# Altium PCB vme64x6U_ctrlc.PcbDoc (part 16 of 18) (continued)
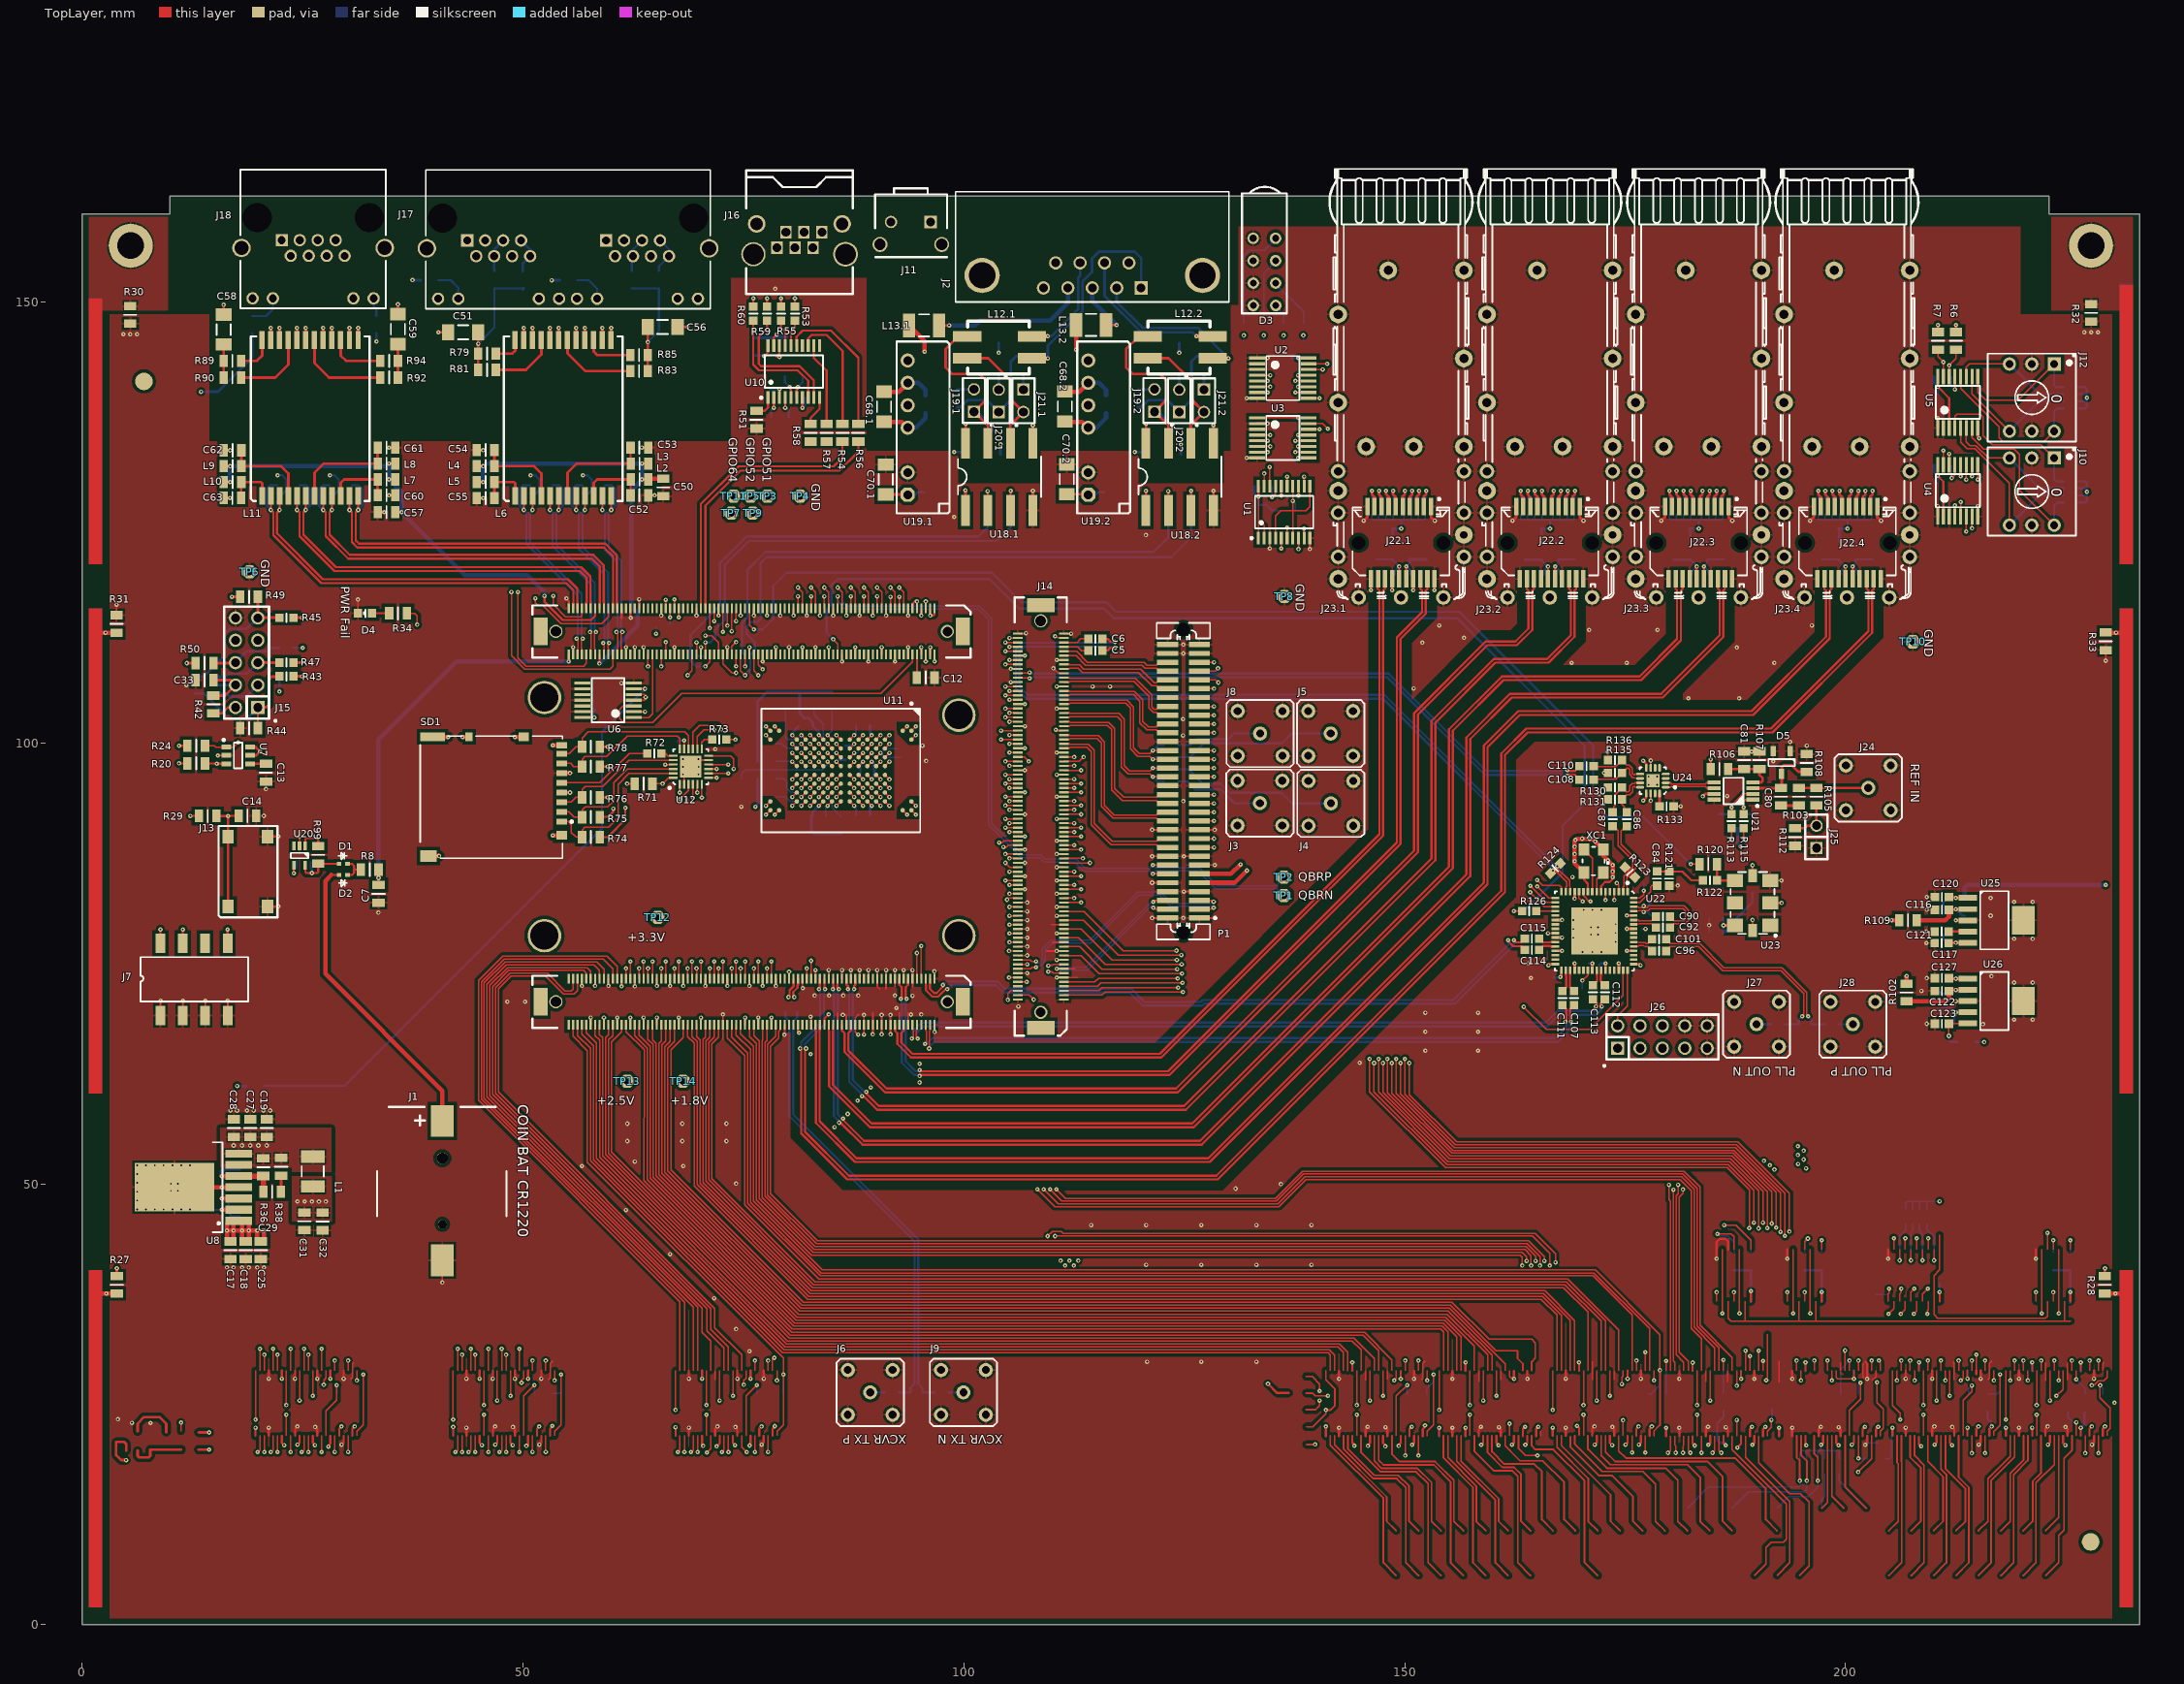
[diagram p0: TopLayer view]
## Nets (pads, with @x,y where several pads share a name; then routed paths per layer and width w, separated by ;. In a path a pad name is that pad's centre, name@x,y a point inside that pad or via, vN(x,y) a via of type N, cw(c..) or ccw(c..) an arc to the next point about the centre after c; other vN are vias at no path point) (continued)
NetJ4_1: J4.1 R11.1 | length 18.9
  BottomLayer w0.25: R11.1@124.325,97 125.475,97 127.075,95.4 129.125,95.4 130.175,94.35 136,94.35 137.2,93.15 J4.1@141.625,93.15
NetJ5_1: J5.1 R13.1 | length 18.4
  BottomLayer w0.25: R13.1@124.325,98.375 125.625,98.375 127.2,99.95 136.05,99.95 137.175,101.075 J5.1@141.6,101.075
NetJ6_1: J6.1 R12.1 R14.1 | length 1.7
  BottomLayer w0.25: J6.1@89.375,26.35 R14.1@91.025,26.35
NetJ8_1: J8.1 R16.1 | length 9.8
  BottomLayer w0.25: R16.1@124.325,99.75 125.7,99.75 126.4,100.45 130.025,100.45 130.65,101.075 J8.1@133.6,101.075
NetJ9_1: J9.1 R18.1 | length 1.7
  BottomLayer w0.25: R18.1@98.25,26.35 J9.1@99.95,26.35
NetJ11_1: J11.1 R20.2 U7.3 | length 126.5
  TopLayer w0.25: R20.2@13.925,97.675 15.22,97.675 v1(15.26,97.635) U7.3@16.335,97.635
  MidLayer3 w0.25: v1(15.26,97.635) 14.4,98.495 14.4,99.35 15.675,100.625 15.675,115.1 16.425,115.85 26.15,115.85 26.385,115.615 54.89,115.615 56.865,115.615 72.075,130.825 79.575,130.825 88.025,139.275 88.025,147.575 93.225,152.775 93.225,156.075 J11.1@96.235,159.085
NetJ14_A110: J14.A110 R40.1 | length 3.6
  TopLayer w0.15: J14.A110@69.675,110.05 v1(69.675,111.4)
  BottomLayer w0.15: v1(69.675,111.4) 69.675,110.075 69.95,109.8 R40.1@70.5,109.8
NetJ16_1: J16.1 R53.2 | length 9.7
  TopLayer w0.25: R53.2@80.835,149.503 v1(80.835,150.41)
  MidLayer3 w0.15: v1(80.835,150.41) 80.835,152.135 83.9,155.2 J16.1@83.9,157.928
NetJ16_2: J16.2 R55.2 | length 8.1
  TopLayer w0.25: R55.2@79.26,149.503 v1(79.26,150.41)
  MidLayer3 w0.15: v1(79.26,150.41) 79.26,151.16 82.88,154.78 J16.2@82.88,156.148
NetJ16_5: J16.5 R59.2 | length 9.3
  TopLayer w0.25: R59.2@77.685,149.503 v1(77.685,150.41)
  MidLayer3 w0.15: v1(77.685,150.41) 77.66,150.435 77.66,152.36 79.82,154.52 J16.5@79.82,157.928
NetJ16_6: J16.6 R60.2 | length 7.8
  TopLayer w0.25: R60.2@76.11,149.503 v1(76.11,150.41)
  MidLayer3 w0.15: v1(76.11,150.41) 76.11,151.335 78.8,154.025 J16.6@78.8,156.148
NetJ17_1A: J17.1A L6.17 | length 13.5
  TopLayer w0.3: L6.17@56.035,145.7 v1(56.035,147.065)
  MidLayer3 w0.25: v1(56.035,147.065) 57.58,148.61 58.285,148.61 59.935,150.26 59.935,153.96 59.415,154.48 J17.1A@59.415,156.985
NetJ17_1B: J17.1B L6.23 | length 13.9
  TopLayer w0.3: L6.23@50.095,145.7 v1(50.095,147.065)
  MidLayer3 w0.25: J17.1B@43.665,156.985 43.665,154.255 50.095,147.825 v1(50.095,147.065)
NetJ17_2A: J17.2A L6.16 | length 11.2
  TopLayer w0.3: L6.16@57.025,145.7 v1(57.025,147.065)
  MidLayer3 w0.25: v1(57.025,147.065) 57.025,147.3 57.915,148.19 58.459,148.19 60.355,150.086 60.355,155.125 J17.2A@60.435,155.205
NetJ17_2B: J17.2B L6.22 | length 12.2
  TopLayer w0.3: L6.22@51.085,145.7 v1(51.085,147.065)
  MidLayer3 w0.25: J17.2B@44.685,155.205 44.685,153.829 51.085,147.429 v1(51.085,147.065)
NetJ17_3A: J17.3A L6.14 | length 12.3
  TopLayer w0.3: L6.14@59.005,145.7 v1(59.005,147.065)
  MidLayer3 w0.25: v1(59.005,147.065) 61.455,149.515 J17.3A@61.455,156.985
NetJ17_3B: J17.3B L6.20 | length 14.6
  TopLayer w0.3: L6.20@53.065,145.7 v1(53.065,147.065)
  MidLayer3 w0.25: J17.3B@45.705,156.985 45.705,154.015 51.51,148.21 51.92,148.21 v1(53.065,147.065)
NetJ17_4A: J17.4A J17.5A R87.1 | length 3.9
  BottomLayer w0.25: R87.1@62.335,153.535 62.335,155.825 J17.5A@63.495,156.985
NetJ17_4B: J17.4B J17.5B R82.1 | length 3.9
  BottomLayer w0.3: R82.1@46.76,153.56 46.725,153.595 J17.4B@46.725,155.205 46.725,155.965 J17.5B@47.745,156.985
NetJ17_6A: J17.6A L6.13 | length 11.4
  TopLayer w0.3: L6.13@59.995,145.7 v1(59.995,147.065)
  MidLayer3 w0.25: v1(59.995,147.065) 59.995,147.461 61.875,149.341 61.875,152.565 J17.6A@64.515,155.205
NetJ17_6B: J17.6B L6.19 | length 12.2
  TopLayer w0.3: L6.19@54.055,145.7 v1(54.055,147.065)
  MidLayer3 w0.25: J17.6B@48.765,155.205 48.765,151.549 51.654,148.66 52.46,148.66 v1(54.055,147.065)
NetJ17_7A: J17.7A J17.8A R88.1 | length 4.3
  BottomLayer w0.25: R88.1@65.41,153.535 65.41,154.06 J17.8A@66.555,155.205 66.555,155.965 J17.7A@65.535,156.985
NetJ17_7B: J17.7B J17.8B R84.1 | length 4.2
  BottomLayer w0.3: J17.7B@49.785,156.985 50.805,155.965 J17.8B@50.805,155.205 49.96,154.36 R84.1@49.96,153.535
NetJ17_10A: J17.10A R86.2 | length 3.8
  BottomLayer w0.25: R86.2@56.175,152.475 57.45,152.475 58.405,151.52 J17.10A@58.405,150.375
NetJ17_10B: J17.10B R80.2 | length 3.9
  BottomLayer w0.25: R80.2@40.385,152.485 41.79,152.485 42.655,151.62 J17.10B@42.655,150.375
NetJ18_10: J18.10 R91.2 | length 3.9
  BottomLayer w0.25: R91.2@19.275,148.4 20.85,148.4 21.62,149.17 J18.10@21.62,150.415
NetJ18_12: J18.12 R93.2 | length 2.1
  BottomLayer w0.25: J18.12@33.05,150.415 33.05,149.55 33.375,149.225 R93.2@33.375,148.45
NetJ19.1_1: J19.1.1 L12.1.2 U17.1.1 U18.1.7 | length 22.1
  TopLayer w0.3: L12.1.2@100.375,146.125 99.375,146.125 97.925,144.675 97.925,142.575 98.65,141.85 101.725,141.85 102.55,141.025 102.55,138.955 J19.1.1@101.15,137.555 102.726,135.979 U18.1.7@102.726,133.92
  BottomLayer w0.3: J19.1.1@101.15,137.555 101.52,137.555 103.2,135.875 U17.1.1@103.2,135.325
NetJ19.1_2: J19.1.2 R95.1.2 | length 1.9
  BottomLayer w0.3: R95.1.2@99.25,140.075 101.13,140.075 J19.1.2@101.15,140.095
NetJ19.2_1: J19.2.1 L12.2.2 U17.2.1 U18.2.7 | length 22.1
  TopLayer w0.3: L12.2.2@120.85,146.125 119.85,146.125 118.4,144.675 118.4,142.575 119.125,141.85 122.2,141.85 123.025,141.025 123.025,138.955 J19.2.1@121.625,137.555 123.201,135.979 U18.2.7@123.201,133.92
  BottomLayer w0.3: J19.2.1@121.625,137.555 121.995,137.555 123.675,135.875 U17.2.1@123.675,135.325
NetJ19.2_2: J19.2.2 R95.2.2 | length 1.9
  BottomLayer w0.3: R95.2.2@119.725,140.075 121.605,140.075 J19.2.2@121.625,140.095
NetJ20.1_1: J20.1.1 R95.1.1 R97.1.2 | length 13.6
  BottomLayer w0.3: R95.1.1@99.25,138.075 99.625,138.075 100.425,138.875 102.605,138.875 J20.1.1@103.95,137.53 105.325,138.905 105.325,143.25 105.925,143.85 R97.1.2@106.75,143.85
NetJ20.2_1: J20.2.1 R95.2.1 R97.2.2 | length 13.6
  BottomLayer w0.3: R95.2.1@119.725,138.075 120.1,138.075 120.9,138.875 123.08,138.875 J20.2.1@124.425,137.53 125.8,138.905 125.8,143.25 126.4,143.85 R97.2.2@127.225,143.85
NetJ21.1_1: J21.1.1 R97.1.1 | length 1.8
  BottomLayer w0.3: J21.1.1@106.75,140.07 R97.1.1@106.75,141.85
NetJ21.1_2: J21.1.2 L12.1.3 U17.1.2 U18.1.6 | length 17.3
  TopLayer w0.3: L12.1.3@100.375,143.625 102.75,143.625 105.35,141.025 105.35,138.93 J21.1.2@106.75,137.53 105.276,136.056 U18.1.6@105.276,133.92
  BottomLayer w0.3: U17.1.2@105.1,135.325 105.1,135.95 106.68,137.53 J21.1.2@106.75,137.53
NetJ21.2_1: J21.2.1 R97.2.1 | length 1.8
  BottomLayer w0.3: J21.2.1@127.225,140.07 R97.2.1@127.225,141.85
NetJ21.2_2: J21.2.2 L12.2.3 U17.2.2 U18.2.6 | length 17.3
  TopLayer w0.3: L12.2.3@120.85,143.625 123.225,143.625 125.825,141.025 125.825,138.93 J21.2.2@127.225,137.53 125.751,136.056 U18.2.6@125.751,133.92
  BottomLayer w0.3: U17.2.2@125.575,135.325 125.575,135.95 127.155,137.53 J21.2.2@127.225,137.53
NetJ24_1: J24.1 R103.2 R105.2 | length 7.9
  TopLayer w0.3: R103.2@194.7,94.9 R105.2@196.7,94.9 J24.1@202.575,94.9
NetJ25_2: J25.2 R105.1 R112.2 | length 4.8
  TopLayer w0.3: R112.2@194.275,90.325 195.35,90.325 195.64,90.615 J25.2@196.7,90.615 R105.1@196.7,92.9
NetJ27_1: J27.1 R128.2 | length 1.6
  BottomLayer w0.3: J27.1@189.9,68.1 R128.2@191.525,68.1
NetJ28_1: J28.1 R132.2 | length 1.6
  BottomLayer w0.25: R132.2@199.25,68.1 J28.1@200.825,68.1
NetL6_15: L6.15 R85.2 | length 5.6
  TopLayer w0.3: L6.15@58.015,145.7 58.015,144.38 58.41,143.985 R85.2@62.16,143.985
NetL6_18: L6.18 R83.2 | length 9.5
  TopLayer w0.3: L6.18@55.045,145.7 55.045,144.2 57.085,142.16 61.31,142.16 R83.2@62.16,142.16
NetL6_21: L6.21 R81.2 | length 7.5
  TopLayer w0.3: R81.2@46.91,142.31 50.335,142.31 52.075,144.05 L6.21@52.075,145.7
NetL6_24: L6.24 R79.2 | length 3.5
  TopLayer w0.3: R79.2@46.91,144.16 48.785,144.16 49.105,144.48 L6.24@49.105,145.7
NetL11_15: L11.15 R94.2 | length 6.5
  TopLayer w0.3: L11.15@29.32,145.7 29.32,143.925 29.91,143.335 R94.2@33.81,143.335
NetL11_18: L11.18 R92.2 | length 10.8
  TopLayer w0.3: L11.18@26.35,145.7 26.35,143.07 27.985,141.435 R92.2@33.81,141.435
NetL11_21: L11.21 R90.2 | length 8.7
  TopLayer w0.3: R90.2@18.035,141.435 21.91,141.435 23.38,142.905 L11.21@23.38,145.7
NetL11_24: L11.24 R89.2 | length 4.4
  TopLayer w0.3: R89.2@18.035,143.335 19.81,143.335 20.41,143.935 L11.24@20.41,145.7
NetR1_2: R1.2 U1.17 | length 2.7
  TopLayer w0.15: v1(134.95,127.875) 135.35,128.275 U1.17@135.35,129.125
  BottomLayer w0.15: v1(134.95,127.875) R1.2@134.95,129.125
NetR2_2: R2.2 U4.13 | length 3.1
  TopLayer w0.15: v1(212.05,130.05) 212.4,130.4 U4.13@212.4,131.52
  BottomLayer w0.15: R2.2@212.025,131.5 212.025,130.075 v1(212.05,130.05)
NetR3_1: R3.1 U1.4 U1.7 U1.11 U1.14 | length 16.3
  TopLayer w0.15: U1.4@135.35,123.225 135.35,125.75 135.95,126.35 137.3,126.35 ; U1.7@137.3,123.225 137.3,126.35 ; U1.14@137.3,129.125 v1(137.3,127.45) 137.3,126.375 ; U1.11@139.25,129.125 139.25,126.8 138.8,126.35 137.325,126.35 137.3,126.375 ; 137.3,126.35 137.3,126.375
  BottomLayer w0.15: v1(137.3,127.45) 137.6,127.15 R3.1@137.6,126.375
NetR10_2: R10.2 U5.13 | length 3.1
  TopLayer w0.15: v1(212.4,140.1) U5.13@212.4,141.545
  BottomLayer w0.15: R10.2@212.025,141.55 212.025,140.475 v1(212.4,140.1)
NetR51_2: R51.2 U10.1 | length 2.6
  TopLayer w0.25: R51.2@76.485,137.66 77.435,137.66 77.785,138.01 U10.1@77.785,139.16
NetR52_1: R52.1 U10.20 | length 2.5
  TopLayer w0.25: v1(77.36,143.885) 77.785,144.31 U10.20@77.785,145.06
  BottomLayer w0.25: R52.1@76.26,143.935 77.31,143.935 v1(77.36,143.885)
NetR54_2: R54.2 U10.13 | length 13.9
  TopLayer w0.25: U10.13@82.335,145.06 82.335,145.885 82.725,146.275 84.425,146.275 86.25,144.45 R54.2@86.25,136.175
NetR56_2: R56.2 U10.15 | length 17.1
  TopLayer w0.25: U10.15@81.035,145.06 81.035,146.085 81.725,146.775 84.932,146.775 88.025,143.682 R56.2@88.025,136.175
NetR57_2: R57.2 U10.12 | length 9.5
  TopLayer w0.25: U10.12@82.985,145.06 82.985,143.66 84.425,142.22 R57.2@84.425,136.175
NetR58_2: R58.2 U10.10 | length 3.4
  TopLayer w0.25: R58.2@82.625,136.175 82.625,136.875 83.635,137.885 U10.10@83.635,139.16
NetR72_1: R72.1 U12.19 | length 1.5
  TopLayer w0.15: R72.1@65.675,98.8 66.175,98.8 66.425,98.55 U12.19@67.025,98.55
NetR73_1: R73.1 U12.13 | length 2.1
  TopLayer w0.15: U12.13@70.275,99.3 70.275,100.05 70.6,100.375 R73.1@71.45,100.375
NetR96.1_1: R96.1.1 U18.1.2 | length 3.6
  TopLayer w0.25: v1(102.7,128.55) 102.7,126.4 U18.1.2@102.725,126.375
  BottomLayer w0.25: R96.1.1@102.7,127.15 v1(102.7,128.55)
NetR96.2_1: R96.2.1 U18.2.2 | length 3.6
  TopLayer w0.25: v1(123.175,128.55) 123.175,126.4 U18.2.2@123.2,126.375
  BottomLayer w0.25: R96.2.1@123.175,127.15 v1(123.175,128.55)
NetR98.1_1: R98.1.1 U18.1.3 | length 3.6
  TopLayer w0.25: v1(105.3,128.6) 105.3,126.45 U18.1.3@105.325,126.425
  BottomLayer w0.25: R98.1.1@105.3,127.2 v1(105.3,128.6)
NetR98.2_1: R98.2.1 U18.2.3 | length 3.6
  TopLayer w0.25: v1(125.775,128.6) 125.775,126.45 U18.2.3@125.8,126.425
  BottomLayer w0.25: R98.2.1@125.775,127.2 v1(125.775,128.6)
NetR99_1: R99.1 U20.1 | length 3.1
  TopLayer w0.25: U20.1@25.3,88.325 25.3,89.075 25.425,89.2 26.6,89.2 26.775,89.025 R99.1@26.775,88.3
NetR102_2: C122.1 C124.2 C125.2 R102.2 R137.2 U26.2 | length 12.1
  TopLayer w0.3: C122.1@211.723,71.875 211.843,71.995 v1(212.507,71.995) U26.2@213.875,71.995
  TopLayer w0.5: R102.2@206.925,70.7 211.425,70.7 211.723,70.998 C122.1@211.723,71.875
  BottomLayer w0.25: R137.2@209.923,71.775 210.675,71.775 210.9,71.55 C124.2@211.523,71.55 212.062,71.55 v1(212.507,71.995) 212.752,71.75 C125.2@213.673,71.75
NetR104_1: C123.1 R104.1 U26.5 | length 5.1
  TopLayer w0.15: C123.1@211.723,68.15 211.723,66.777 v1(211.725,66.775) ; C123.1@211.723,68.185 U26.5@213.875,68.185
  BottomLayer w0.25: v1(211.725,66.775) 211.725,66.3 211.95,66.075 R104.1@212.7,66.075
NetR109_2: C116.1 C118.2 R109.2 U25.2 | length 8.1
  TopLayer w0.25: C116.1@211.725,81.075 212.429,81.075 v1(212.507,81.153)
  TopLayer w0.3: v1(212.507,81.153) U25.2@213.875,81.153
  TopLayer w0.5: R109.2@208.075,79.9 211.325,79.9 211.725,80.3 C116.1@211.725,81.075
  BottomLayer w0.25: v1(212.507,81.153) 213.252,80.408 C118.2@213.525,80.408
NetR110_2: R110.2 R111.1 R113.2 U21.2 | length 6.1
  TopLayer w0.15: R113.2@187.075,91.925 v1(187.075,92.7) 187.075,92.9 188.4,94.225 U21.2@189.5,94.225
  BottomLayer w0.25: R111.1@185.7,91.9 185.725,91.925 R110.2@187.075,91.925 v1(187.075,92.7)
NetR114_1: C117.1 R114.1 U25.5 | length 4.2
  TopLayer w0.3: C117.1@211.7,77.3 211.743,77.343 v1(212.507,77.343) U25.5@213.875,77.343
  BottomLayer w0.25: 211.05,78.225 211.05,77.85 211.557,77.343 v1(212.507,77.343)
NetR115_2: R115.2 R116.2 R117.1 U21.1 | length 4.6
  TopLayer w0.15: R115.2@188.45,92.025 v1(188.45,92.7) 188.45,93.375 188.65,93.575 U21.1@189.5,93.575
  BottomLayer w0.25: v1(188.45,92.7) R116.2@188.45,91.925 R117.1@189.825,91.925
NetR120_1: R120.1 R122.1 U23.4 | length 3.5
  TopLayer w0.25: R120.1@185.425,85.85 R122.1@185.425,84.425 185.46,84.39 U23.4@187.45,84.39
NetR127_2: R127.2 U22.39 | length 2.4
  TopLayer w0.15: v1(170.15,73.05) 170.775,73.675 U22.39@170.775,74.225
  BottomLayer w0.15: R127.2@170.15,72.1 v1(170.15,73.05)
NetR133_1: R133.1 U24.16 | length 1.5
  TopLayer w0.3: R133.1@178.9,92.825 U24.16@178.9,94.275
NetU22_8: U22.8 XC1.1 | length 2.5
  TopLayer w0.15: U22.8@171.775,83.125 171.775,84.55 XC1.1@172.525,85.3
NetU22_9: U22.9 XC1.3 | length 5.2
  TopLayer w0.15: XC1.3@170.325,87.9 171.275,86.95 U22.9@171.275,83.125
OUT0_N: U22.21
OUT0_P: R126.1 U22.20 | length 2.1
  TopLayer w0.15: R126.1@164.925,80.925 U22.20@167.075,80.925
OUT1_N: U22.23
OUT1_P: U22.24
OUT2_N: C115.1 U22.27 | length 2
  TopLayer w0.25: C115.1@165.225,77.8 165.638,77.388 166.487,77.388 166.525,77.425 U22.27@167.075,77.425
OUT2_P: C114.1 U22.28 | length 2
  TopLayer w0.25: C114.1@165.225,76.525 165.663,76.963 166.488,76.963 166.525,76.925 U22.28@167.075,76.925
OUT3_N: U22.30
OUT3_P: U22.31
OUT4_N: C111.1 U22.34 | length 2.5
  TopLayer w0.25: C111.1@167.875,71.875 168.312,72.312 168.312,73.638 168.275,73.675 U22.34@168.275,74.225
OUT4_P: C107.1 U22.35 | length 2.6
  TopLayer w0.25: U22.35@168.775,74.225 168.775,73.675 168.737,73.638 168.737,72.338 C107.1@169.2,71.875
OUT5_N: U22.37
OUT5_P: U22.38
OUT6_N: C113.1 U22.41 | length 1.9
  TopLayer w0.25: C113.1@171.35,72.525 171.812,72.987 171.812,73.638 171.775,73.675 U22.41@171.775,74.225
OUT6_P: C112.1 U22.42 | length 1.9
  TopLayer w0.25: U22.42@172.275,74.225 172.275,73.675 172.237,73.638 172.237,72.988 C112.1@172.7,72.525
OUT7_N: U22.44
OUT7_P: U22.45
OUT8_N: U22.50
OUT8_P: U22.51
OUT9_N: C96.1 U22.53 | length 2.3
  TopLayer w0.15: U22.53@175.975,76.925 176.475,76.925 176.562,77.013 177.125,77.013 ; 177.14,77 177.24,76.9 177.55,76.9 C96.1@178.05,76.4
OUT9_P: C101.1 U22.54 | length 2.4
  TopLayer w0.15: U22.54@175.975,77.425 176.475,77.425 176.562,77.338 177.262,77.338 177.375,77.225 177.55,77.225 C101.1@178.05,77.725
OUT10_N: U22.55
OUT10_P: U22.56
PWR_EN: C12.2 J14.A10 | length 2.6
  TopLayer w0.2: C12.2@94.66,107.41 94.675,107.425 J14.A10@94.675,110.05
PWR_FAIL_LED: R34.1 U6.4 U6.5 | length 35
  TopLayer w0.15: R34.1@36.815,114.71 37.715,114.71 38,114.425 v1(38,113.4) ; U6.4@62.56,104.84 63.74,104.84 63.9,105 v1(63.9,105.188) 63.9,105.375 63.785,105.49 U6.5@62.56,105.49
  MidLayer3 w0.15: v1(38,113.4) 39.25,113.4 39.435,113.585 48.565,113.585 51.075,111.075 54.425,111.075 60.312,105.188 v1(63.9,105.188)
PWR_GOOD: J14.A12 U6.3 | length 39.9
  TopLayer w0.15: U6.3@62.56,104.19 61.365,104.19 60.95,103.775 60.95,102.775 61.425,102.3 64.675,102.3 67.975,105.6 90.6,105.6 94.175,109.175 J14.A12@94.175,110.05
Q9_N: C96.2 R128.1 R129.2 | length 23.3
  TopLayer w0.15: C96.2@179.65,76.4 180.15,76.9 183.35,76.9 186.075,74.175 192.65,74.175 195.25,71.575 195.25,69.173 v1(195.078,69)
  BottomLayer w0.25: R128.1@193.125,68.1 R129.2@194.7,68.1 194.7,68.623 v1(195.078,69)
Q9_P: C101.2 R132.1 R134.2 | length 23.8
  TopLayer w0.15: C101.2@179.65,77.725 180.15,77.225 183.485,77.225 186.21,74.5 192.785,74.5 195.575,71.71 195.575,69.173 v1(195.748,69)
  BottomLayer w0.25: v1(195.748,69) 196.1,68.647 R134.2@196.1,68.1 R132.1@197.65,68.1
QBR_N: J14.A45 P1.12 TP1.1 | length 82
  TopLayer w0.15: J14.A45@85.675,115.25 v1(85.675,116.625) ; v1(121.425,85.15) P1.12@123.1,85.15
  BottomLayer w0.15: v1(85.675,116.625) 85.675,116.065 86.54,115.2 101.625,115.2 102.81,114.015 102.81,90.731 106.54,87 108.6,87 109.1,86.5 112.6,86.5 113.65,85.45 121.125,85.45 v1(121.425,85.15) 121.763,85.487 126.562,85.487 128.6,83.45 135.525,83.45 TP1.1@136.3,82.675
QBR_P: J14.A43 P1.14 TP2.1 | length 84
  TopLayer w0.15: v1(85.675,117.625) 86.175,117.125 J14.A43@86.175,115.25 ; v1(121.425,86.15) P1.14@123.1,86.15
  BottomLayer w0.15: v1(85.675,117.625) 86.175,117.125 86.175,116.025 86.675,115.525 101.76,115.525 103.135,114.15 103.135,90.865 106.675,87.325 108.735,87.325 109.235,86.825 112.735,86.825 113.785,85.775 121.05,85.775 v1(121.425,86.15) 121.763,85.813 126.697,85.813 128.735,83.775 135.4,83.775 136.3,84.675 TP2.1@136.3,84.775
r_FDEC: J26.3 U22.25 | length 24.4
  TopLayer w0.15: v1(166.25,78.425) U22.25@167.075,78.425
  MidLayer4 w0.15: v1(166.25,78.425) 165.75,78.425 165.345,78.02 165.345,67.983 166.928,66.4 175.665,66.4 J26.3@176.685,65.38
r_FINC: J26.2 U22.48 | length 6.8
  TopLayer w0.15: J26.2@174.145,67.92 174.145,69.045 175.275,70.175 U22.48@175.275,74.225
r_ISEL0: J26.7 U22.3 | length 24
  TopLayer w0.15: v1(174.05,84.1) 174.275,83.875 U22.3@174.275,83.125
  MidLayer4 w0.15: v1(174.05,84.1) 174.05,83.625 174.33,83.345 176.08,83.345 177.875,81.55 177.875,71.251 180.35,68.776 180.35,66.795 J26.7@181.765,65.38
r_ISEL1: J26.4 U22.4 | length 17.3
  TopLayer w0.15: v1@173.775,82.2 U22.4@173.775,83.125
  MidLayer4 w0.15: v1(173.775,82.175) 175.275,82.175 175.7,81.75 175.7,70.825 176.685,69.84 J26.4@176.685,67.92
r_OEb: J26.6 U22.11 | length 23.1
  TopLayer w0.15: U22.11@170.275,83.125 170.275,82.675 170.925,82.025 v1(171.075,82.025)
  MidLayer4 w0.15: v1(171.075,82.025) 172.075,83.025 175.6,83.025 176.375,82.25 176.375,76.3 177.45,75.225 177.45,71.075 179.225,69.3 J26.6@179.225,67.92
r_RST: J26.5 U22.6 | length 22.7
  TopLayer w0.15: v1(172.775,82.175) U22.6@172.775,83.125
  MidLayer4 w0.15: v1(172.775,82.175) 173.3,82.7 175.4,82.7 176.025,82.075 176.02,82.07 176.02,70.958 177.975,69.003 177.975,66.63 J26.5@179.225,65.38
r_SDO: J26.1 U22.17 | length 28.6
  TopLayer w0.15: v1(165.025,83.725) 166.325,82.425 U22.17@167.075,82.425
  MidLayer4 w0.15: v1(165.025,83.725) 165.025,67.85 167.575,65.3 J26.1@174.145,65.3
RateSel0_SFP0: J22.1.7 R101.1.7 U4.4 | length 85.2
  TopLayer w0.15: U4.4@212.4,125.68 v1(212.4,126.95)
  TopLayer w0.3: v1(147.88,128.595) 147.88,128.22 148.175,127.925 J22.1.7@148.175,126.8
  MidLayer3 w0.15: v1(147.88,128.595) 148.81,129.525 155.88,129.525 158.075,127.33 158.075,125.725 158.925,124.875 160.325,124.875 161.225,125.775 161.225,127.547 163.523,129.845 170.055,129.845 171.37,128.53 173.72,128.53 174.875,127.375 174.875,125.525 175.825,124.575 182,124.575 182.95,123.625 185.072,123.625 188.822,119.875 194.075,119.875 196.7,122.5 196.7,124.075 199.075,126.45 204.615,126.45 206.1,127.935 211.99,127.935 212.4,127.525 v1(212.4,126.95)
  BottomLayer w0.15: R101.1.7@147.88,127.7 v1(147.88,128.595)
RateSel0_SFP1: J22.2.7 R101.2.7 U4.6 | length 69.8
  TopLayer w0.15: v1(213.7,123.975) U4.6@213.7,125.68
  TopLayer w0.3: v1(164.755,128.595) 164.755,128.22 165.05,127.925 J22.2.7@165.05,126.8
  MidLayer3 w0.15: v1(164.755,128.595) 164.755,128.88 165.075,129.2 169.775,129.2 171.7,127.275 171.7,124.225 172.335,123.59 172.335,123.04 173.125,122.25 177.125,122.25 177.925,121.45 186.325,121.45 190.925,116.85 193.9,116.85 195.32,118.27 195.32,120.195 197.345,122.22 197.345,123.795 199.35,125.8 204.9,125.8 206.38,127.28 208.861,127.28 210.14,126 213.225,126 213.7,125.525 v1(213.7,123.975)
  BottomLayer w0.15: R101.2.7@164.755,127.7 v1(164.755,128.595)
RateSel0_SFP2: J22.3.7 R101.3.7 U4.9 | length 42.8
  TopLayer w0.15: v1(215,129.875) U4.9@215,131.52
  TopLayer w0.3: v1(181.63,128.595) 181.63,128.22 181.925,127.925 J22.3.7@181.925,126.8
  MidLayer3 w0.15: v1(181.63,128.595) 181.63,127.395 183,126.025 188.725,126.025 189.85,124.9 192.25,124.9 192.525,124.625 196.322,124.625 198.792,127.095 204.348,127.095 205.833,128.58 214.48,128.58 215,129.1 v1(215,129.875)
  BottomLayer w0.15: R101.3.7@181.63,127.7 v1(181.63,128.595)
RateSel0_SFP3: J22.4.7 R101.4.7 U4.11 | length 21.3
  TopLayer w0.15: v1(213.7,129.875) U4.11@213.7,131.52
  TopLayer w0.3: v1(198.505,128.595) 198.505,128.22 198.8,127.925 J22.4.7@198.8,126.8
  MidLayer3 w0.15: v1(198.505,128.595) 198.505,128.12 198.875,127.75 204.058,127.75 205.538,129.23 213.33,129.23 213.7,129.6 v1(213.7,129.875)
  BottomLayer w0.15: R101.4.7@198.505,127.7 v1(198.505,128.595)
RateSel1_SFP0: J22.1.9 R101.1.5 U4.5 | length 80.7
  TopLayer w0.15: U4.5@213.05,125.68 v1(213.05,127.325)
  TopLayer w0.3: v1(146.28,128.595) 146.28,128.17 146.575,127.875 J22.1.9@146.575,126.8
  MidLayer3 w0.15: v1(146.28,128.595) 147.535,129.85 156.05,129.85 158.625,127.275 160.5,127.275 163.4,130.175 170.2,130.175 171.525,128.85 173.95,128.85 175.525,127.275 180.825,127.275 182.4,125.7 183.45,125.7 187.575,121.575 188.825,121.575 189.55,122.3 192.55,122.3 194.555,124.305 196.455,124.305 198.925,126.775 204.48,126.775 205.965,128.26 212.125,128.26 v1@213.055,127.33
  BottomLayer w0.15: R101.1.5@146.28,127.7 v1(146.28,128.595)
RateSel1_SFP1: J22.2.9 R101.2.5 U4.7 | length 70.4
  TopLayer w0.15: v1(214.35,124.35) U4.7@214.35,125.68
  TopLayer w0.3: v1(163.155,128.595) 163.155,128.17 163.45,127.875 J22.2.9@163.45,126.8
  MidLayer3 w0.15: v1(163.155,128.595) 163.155,128.93 163.75,129.525 169.91,129.525 172.025,127.41 172.025,126 173.125,124.9 174.95,124.9 175.6,124.25 181.872,124.25 182.817,123.305 184.94,123.305 191.045,117.2 193.775,117.2 195,118.425 195,120.328 197.025,122.353 197.025,123.928 199.217,126.12 204.745,126.12 206.23,127.605 208.995,127.605 210.275,126.325 213.85,126.325 214.35,125.825 v1(214.35,124.35)
  BottomLayer w0.15: R101.2.5@163.155,127.7 v1(163.155,128.595)
RateSel1_SFP2: J22.3.9 R101.3.5 U4.10 | length 42.2
  TopLayer w0.15: v1(214.35,130.25) U4.10@214.35,131.52
  TopLayer w0.3: v1(180.03,128.595) 180.03,128.17 180.325,127.875 J22.3.9@180.325,126.8
  MidLayer3 w0.15: v1(180.03,128.595) 180.03,129.08 180.35,129.4 182.825,129.4 183.125,129.1 183.125,128.05 183.85,127.325 197.625,127.325 197.725,127.425 204.205,127.425 205.69,128.91 213.91,128.91 214.35,129.35 v1(214.35,130.25)
  BottomLayer w0.15: R101.3.5@180.03,127.7 v1(180.03,128.595)
RateSel1_SFP3: J22.4.9 R101.4.5 U4.12 | length 22.7
  TopLayer w0.15: v1(213.05,130.25) U4.12@213.05,131.52
  TopLayer w0.3: v1(196.905,128.595) 196.905,128.17 197.2,127.875 J22.4.9@197.2,126.8
  MidLayer3 w0.15: v1(196.905,128.595) 196.905,129.055 197.125,129.275 199.775,129.275 200,129.05 200,128.525 200.45,128.075 203.93,128.075 205.41,129.555 212.805,129.555 213.05,129.8 v1(213.05,130.25)
  BottomLayer w0.15: R101.4.5@196.905,127.7 v1(196.905,128.595)
RST_R: J15.6 R41.2 R50.1 | length 8.2
  TopLayer w0.3: R50.1@14.875,109.05 17.33,109.05 J15.6@17.38,109.1
  BottomLayer w0.3: J15.6@17.38,109.1 18.68,110.4 20.975,110.4 21.36,110.785 R41.2@22.36,110.785
RxLos_SFP0: J22.1.8 R101.1.6 U3.4 | length 22.9
  TopLayer w0.15: U3.4@133.255,134.925 v1(134.75,134.925)
  TopLayer w0.3: v1(147.08,128.595) 147.08,128.17 147.375,127.875 J22.1.8@147.375,126.8
  MidLayer4 w0.15: v1(134.75,134.925) 135.89,133.785 135.89,132.893 136.978,131.805 140.295,131.805 141.21,130.89 141.21,127.765 141.62,127.355 146.305,127.355 147.08,128.13 v1(147.08,128.595)
  BottomLayer w0.15: R101.1.6@147.08,127.7 v1(147.08,128.595)
RxLos_SFP1: J22.2.8 R101.2.6 U3.9 | length 31.7
  TopLayer w0.15: v1(137.9,132.325) U3.9@138.95,132.325
  TopLayer w0.3: v1(163.955,128.595) 163.955,128.17 164.25,127.875 J22.2.8@164.25,126.8
  MidLayer4 w0.15: v1@137.875,132.325 160.6,132.325 163.955,128.97 v1(163.955,128.595)
  BottomLayer w0.15: R101.2.6@163.955,127.7 v1(163.955,128.595)
RxLos_SFP2: J22.3.8 R101.3.6 U2.4 | length 74.4
  TopLayer w0.15: U2.4@133.255,141.7 v1(134.75,141.7)
  TopLayer w0.3: v1(180.83,128.595) 180.83,128.17 181.125,127.875 J22.3.8@181.125,126.8
  MidLayer4 w0.15: v1(134.75,141.7) 137.905,138.545 140.527,138.545 141.877,137.195 185.652,137.195 187.475,135.372 187.475,127.95 186.95,127.425 182,127.425 v1(180.83,128.595)
  BottomLayer w0.15: R101.3.6@180.83,127.7 v1(180.83,128.595)
RxLos_SFP3: J22.4.8 R101.4.6 U2.9 | length 72
  TopLayer w0.15: U2.9@139.095,139.1 v1(140.35,139.1)
  TopLayer w0.3: v1(197.705,128.595) 197.705,128.17 198,127.875 J22.4.8@198,126.8
  MidLayer4 w0.15: v1(140.35,139.1) 141.5,140.25 194.975,140.25 197.705,137.52 v1(197.705,128.595)
  BottomLayer w0.15: R101.4.6@197.705,127.7 v1(197.705,128.595)
SDCARD_CLK: R72.2 SD1.5 | length 11.1
  TopLayer w0.15: SD1.5@54.375,95.475 58.725,95.475 62.05,98.8 R72.2@64.075,98.8
SDCARD_CMD: R76.2 SD1.3 U12.20 | length 15.2
  TopLayer w0.15: SD1.3@54.375,93.275 55.45,93.275 56,93.825 R76.2@56.7,93.825 56.7,94.725 57.05,95.075 59.05,95.075 62.025,98.05 U12.20@67.025,98.05
SDCARD_D0: R77.2 SD1.7 U12.18 | length 16.4
  TopLayer w0.15: SD1.7@54.375,97.675 55.4,97.675 55.75,97.325 R77.2@56.7,97.325 ; R77.2@56.7,97.7 56.7,98.15 57.025,98.475 59.5,98.475 61.825,100.8 67.475,100.8 67.775,100.5 U12.18@67.775,99.3
SDCARD_D1: R78.2 SD1.8 U12.16 | length 17.7
  TopLayer w0.15: SD1.8@54.375,98.775 55.225,98.775 56.025,99.575 R78.2@56.7,99.575 56.7,100.55 57.4,101.25 68.35,101.25 68.775,100.825 U12.16@68.775,99.3
SDCARD_D2: R74.2 SD1.1 U12.23 | length 19.6
  TopLayer w0.15: SD1.1@54.375,91.075 55.125,91.075 55.475,90.725 55.475,89.85 56,89.325 R74.2@56.7,89.325 56.7,90.125 57.025,90.45 59.7,90.45 60.775,91.525 60.775,95.3 62.025,96.55 U12.23@67.025,96.55
SDCARD_D3: R75.2 SD1.2 U12.22 | length 16.9
  TopLayer w0.15: SD1.2@54.375,92.175 55.2,92.175 55.8,91.575 R75.2@56.7,91.575 56.7,92.4 57.05,92.75 59.6,92.75 60.275,93.425 60.275,95.507 61.818,97.05 U12.22@67.025,97.05
SDEPAD1: SD1.9 | length 0.7
  TopLayer w0.5: v1(43.125,100.675) SD1.9@43.875,100.675
SDEPAD2: SD1.10 | length 1
  TopLayer w0.5: v1(53.375,99.725) SD1.10@54.375,99.725
SDEPAD3: SD1.11 | length 1
  TopLayer w0.5: v1(53.375,89.525) SD1.11@54.375,89.525
SDEPAD4: SD1.13 | length 1.8
  TopLayer w0.5: SD1.13@39.725,100.675 v1(41.5,100.675)
SDEPAD5: SD1.12 | length 1.2
  TopLayer w0.5: SD1.12@39.275,87.175 v1(40.475,87.175)
SDEPAD6: SD1.14 | length 1
  TopLayer w0.5: v1(49.075,100.675) SD1.14@50.075,100.675
SDIO_CLK: J14.A91 U12.9 | length 20.7
  TopLayer w0.15: U12.9@71.025,97.05 v1(71.95,97.05) ; v1(74.175,113.825) J14.A91@74.175,115.25
  MidLayer3 w0.15: v1(71.95,97.05) 71.18,97.82 71.18,102.63 72.775,104.225 72.775,107.4 73.675,108.3 73.675,111.775 74.175,112.275 v1(74.175,113.825)
SDIO_CMD: J14.A93 U12.4 | length 26.3
  TopLayer w0.15: v1(69.275,93.8) U12.4@69.275,95.3 ; v1(73.675,112.675) J14.A93@73.675,115.25
  MidLayer3 w0.15: v1(69.275,93.8) 69.85,93.225 70.475,93.225 70.825,93.575 70.825,102.775 72.455,104.405 72.455,111.03 73.675,112.25 v1(73.675,112.675)
SDIO_D0: J14.A95 U12.6 | length 24.2
  TopLayer w0.15: v1(70.275,93.8) U12.6@70.275,95.3 ; v1(73.175,113.3) J14.A95@73.175,115.25
  MidLayer3 w0.15: v1(70.275,93.8) 70.275,95.85 70.425,96 70.425,102.85 72.135,104.56 72.135,111.26 73.175,112.3 v1(73.175,113.3)
SDIO_D1: J14.A97 U12.7 | length 30.2
  TopLayer w0.15: U12.7@71.025,96.05 v1(71.95,96.05) ; v1(72.675,112.6) J14.A97@72.675,115.25
  MidLayer3 w0.15: v1(71.95,96.05) 71.95,94.15 70.705,92.905 69.295,92.905 68.775,93.425 68.775,101.675 70.305,103.205 70.31,103.205 71.815,104.71 71.815,111.465 72.675,112.325 v1(72.675,112.6)
SDIO_D2: J14.A101 U12.1 | length 24.4
  TopLayer w0.15: v1(67.775,94.375) U12.1@67.775,95.3 ; v1(71.675,113.825) J14.A101@71.675,115.25
  MidLayer3 w0.15: v1(67.775,94.375) 67.475,94.675 67.475,102.075 68.925,103.525 70.178,103.525 71.495,104.842 71.495,112.47 71.675,112.65 v1(71.675,113.825)